# Altium PCB MB988.PcbDoc (part 3 of 4)
Units mil, origin at the board's own origin, x right, y up, seen from the top; angles counter-clockwise.
Board outline 4505 x 6805 mil, 4 copper layers (TopLayer, VCC, GND, BottomLayer), stack 71.6 mil thick; 546 components, 390 nets, 1907 pads, 809 vias.
Unrouted connection lines stored in the file: 2.
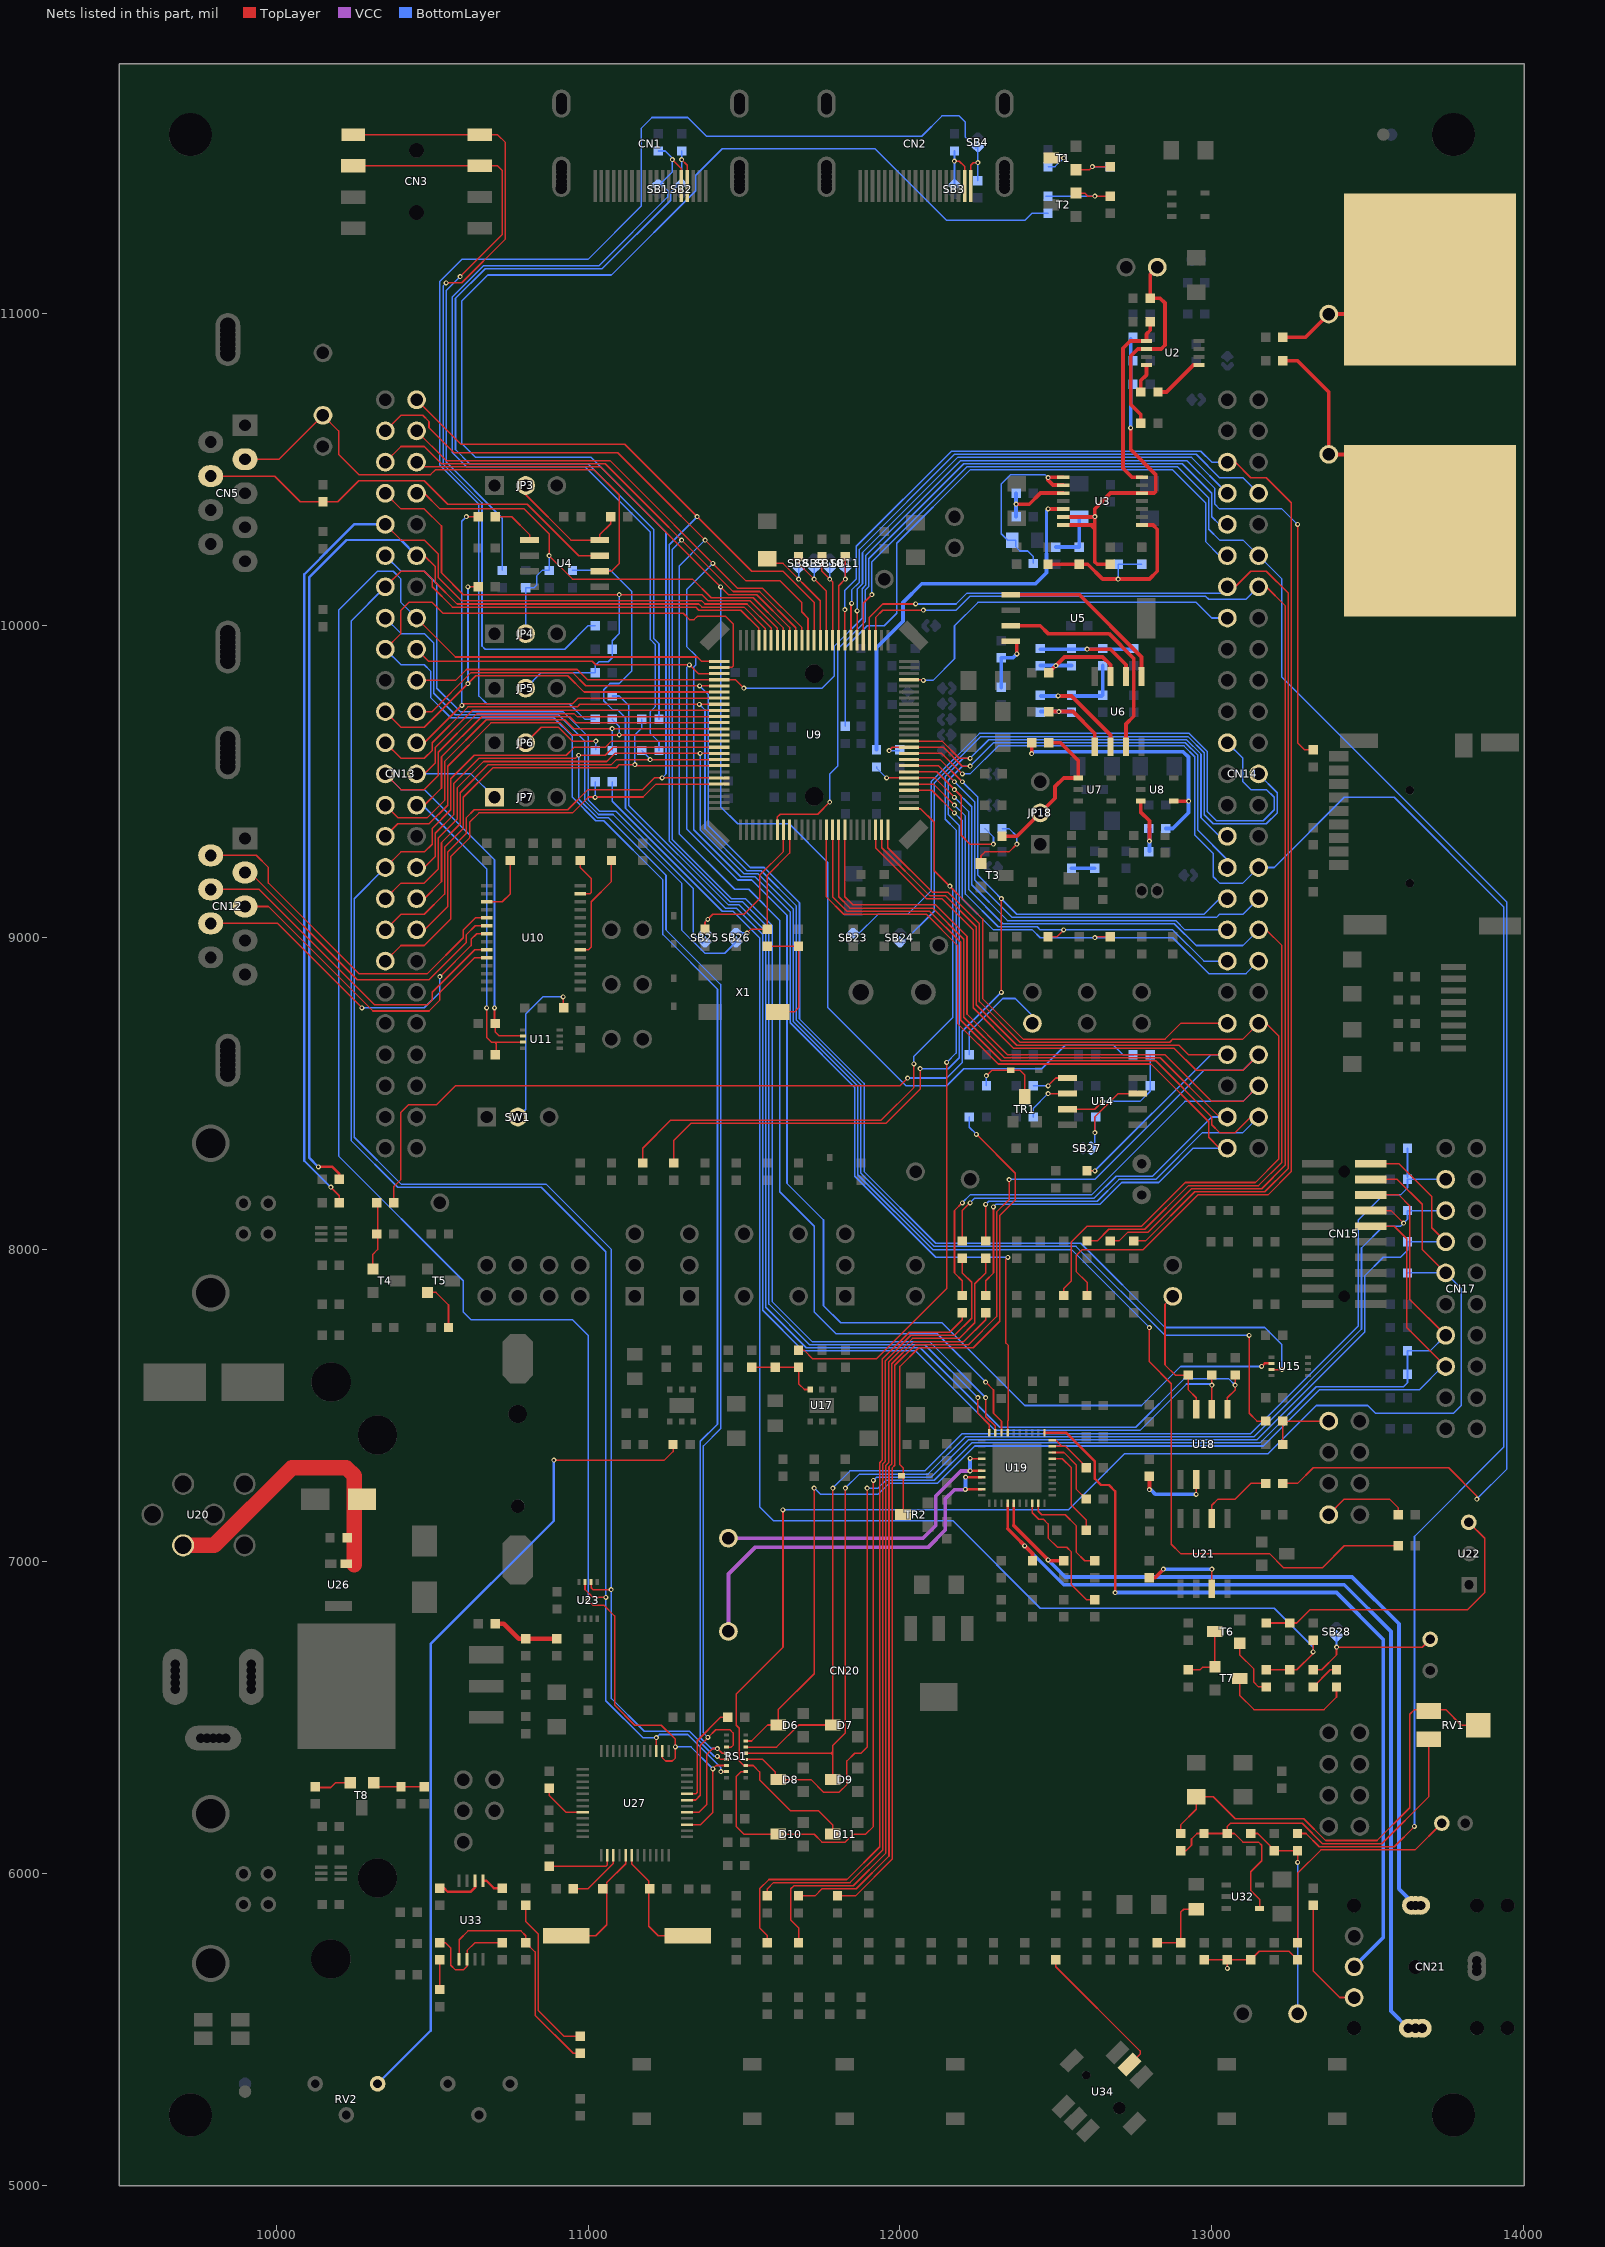
[diagram p5: the nets of this part, all layers, seen from the top]

## Via types
v1: diameter 16, hole 8, TopLayer to BottomLayer, tented both sides, 786 vias
v2: diameter 25, hole 16, TopLayer to BottomLayer, tented both sides, 20 vias
v3: diameter 50, hole 28, TopLayer to BottomLayer, tented both sides, 3 vias

## Nets (pads, with @x,y where several pads share a name; then routed paths per layer and width w, separated by ;. In a path a pad name is that pad's centre, name@x,y a point inside that pad or via, vN(x,y) a via of type N, cw(c..) or ccw(c..) an arc to the next point about the centre after c; other vN are vias at no path point) (continued)
NetR120_2: R120.2 T1.3 | length 101.6
  TopLayer w5: T1.3@12485,11500.5 12524.5,11500.5 v1(12525,11500)
  BottomLayer w5: R120.2@12475,11472.5 12497.5,11472.5 v1(12525,11500)
NetR122_1: R122.1 T6.3 T7.2 | length 202.1
  TopLayer w5: R122.1@12925,6652.5 12962.5,6652.5 12970,6660 13007.5,6660 T7.2@13010,6662.5 T6.3@13010,6775.5
NetR123_2: R123.2 T6.2 | length 189.9
  TopLayer w5: T6.2@13090,6737.5 13090,6700 13135,6655 13135,6612.5 13150,6597.5 R123.2@13175,6597.5
NetR125_1: R125.1 T7.3 | length 432.2
  TopLayer w5: T7.3@13090,6624.5 13090,6570 13135,6525 13360,6525 13400,6565 R125.1@13400,6597.5
NetR125_2: R125.2 R240.1 | length 97.8
  TopLayer w5: R240.1@13325,6597.5 13380,6652.5 R125.2@13400,6652.5
NetR128_1: R128.1 T8.1 | length 116.2
  TopLayer w5: R128.1@10127.5,6275 10175,6275 10190,6290 T8.1@10237.5,6290
NetR129_1: R129.1 U21.6 | length 244
  TopLayer w5: U21.6@13000,7137.5 13000,7180 13020,7200 13075,7200 13125,7250 R129.1@13172.5,7250
NetR131_2: R131.2 R132.1 T8.2 | length 162.5
  TopLayer w5: T8.2@10312.5,6277.5 R132.1@10475,6277.5
NetR137_2: R137.2 U27.2 | length 219.3
  TopLayer w5: R137.2@10875,6022.5 11057.5,6022.5 11061.42,6026.42 U27.2@11061.42,6057.68
NetR139_1: CN1.15 R139.1 R173.1 SB1.1 | length 3087.5
  TopLayer w5: v1(11270,11495) 11298.43,11466.57 CN1.15@11298.43,11410
  BottomLayer w5: R173.1@11225,11522.5 11247.5,11522.5 11270,11500 11270,11455 SB1.1@11233,11418 11255,11396 11255,11375 11035,11155 10665,11155 10565,11055 10565,10555 10610,10510 10990,10510 11200,10300 11200,9955.86 11215,9940.86 11215,9740 11200,9725 11200,9655 11227.5,9627.5 R139.1@11227.5,9600
NetR140_1: C72.1 R140.1 R141.2 RV1.1 U32.4 | length 1457
  TopLayer w5: R140.1@12900,6072.5 12917.5,6072.5 12935,6090 12935,6110 12952.5,6127.5 R141.2@12975,6127.5 ; R141.2@12977.5,6127.5 13072.5,6127.5 13100,6100 13150,6100 13160,6090 13160,6040 13125,6005 13125,5945 13153.15,5916.85 U32.4@13153.15,5887.6 ; C72.1@13050,6127.5 13050,6150 13060,6160 13290,6160 13355,6095 13545,6095 13696.26,6246.26 RV1.1@13696.26,6404.72
NetR140_2: C71.1 R140.2 RV1.2 RV1.3 | length 1470.4
  TopLayer w5: R140.2@12900,6127.5 12900,6155 12950,6205 C71.1@12950,6245 13005,6245 13075,6175 13295,6175 13365,6105 13530,6105 13635,6210 13635,6510 13650,6525 13750,6525 13800,6475 RV1.2@13853.74,6475
NetR144_1: LD5.2 R144.1 | length 523.2
  TopLayer w5: R144.1@10800,5897.5 10800,5845 10840,5805 10840,5560 10922.5,5477.5 LD5.2@10975,5477.5
NetR145_2: R145.2 U27.3 | length 188.8
  TopLayer w5: R145.2@10952.5,5950 11000,5950 11081.1,6031.1 U27.3@11081.1,6057.68
NetR146_1: R77.2 R146.1 | length 2554.3
  TopLayer w5: R146.1@11575,5927.5 11575,5950 11595,5970 11840,5970 11945,6075 11945,7312.22 11953.64,7320.86 11953.64,7643.64 12035,7725 12175,7725 12230,7780 12230,7895 12200,7925 R77.2@12200,7972.5
NetR147_1: R88.2 R147.1 | length 2307.4
  TopLayer w5: R147.1@11675,5927.5 11727.5,5927.5 11750,5950 11860,5950 11965,6055 11965,7303.93 11973.64,7312.57 11973.64,7633.64 12045,7705 12205,7705 12275,7775 R88.2@12275,7797.5
NetR148_1: CN1.16 R148.1 R172.1 SB2.1 | length 2927.5
  TopLayer w5: v1(11300,11495) 11318.11,11476.89 CN1.16@11318.11,11410
  BottomLayer w5: R148.1@11227.5,9700 11227.5,9942.5 11210,9960 11210,10310 11000,10520 10620,10520 10575,10565 10575,11050 10670,11145 11045,11145 11265,11365 11265,11391 SB2.1@11292,11418 ; SB2.1@11300,11415 R172.1@11300,11522.5
NetR156_1: R87.2 R156.1 | length 2522.2
  TopLayer w5: R156.1@11575,5777.5 11575,5800 11550,5825 11550,5950 11580,5980 11830,5980 11935,6085 11935,7316.36 11943.64,7325 11943.64,7648.64 12030,7735 12160,7735 12200,7775 R87.2@12200,7797.5
NetR157_1: R78.2 R157.1 | length 2663.4
  TopLayer w5: R157.1@11675,5777.5 11675,5825 11650,5850 11650,5950 11660,5960 11850,5960 11955,6065 11955,7308.07 11963.64,7316.72 11963.64,7638.64 12040,7715 12190,7715 12240,7765 12240,7890 12275,7925 R78.2@12275,7972.5
NetR159_1: R2.1 R159.1 T2.1 | length 271.6
  TopLayer w5: T2.1@12565,11387.5 12592.5,11387.5 12602.5,11377.5 R2.1@12675,11377.5
  BottomLayer w5: R159.1@12467.5,11377.5 v1(12625,11377.5)
NetR162_2: R162.2 U34.5 | length 462
  TopLayer w5: R162.2@12500,5722.5 12500,5700 12770,5430 12770,5420 U34.5@12736.3,5386.3
NetR163_1: CN20.1 R110.1 R163.1 | length 222.5
  TopLayer w5: R110.1@13227.5,7375 R163.1@13227.5,7450 CN20.1@13375,7450
NetR165_1: C89.1 C135.1 R164.1 R165.1 | length 350
  TopLayer w5: C89.1@12975.28,5722.44 13124.94,5722.44 13152.5,5750 13247.5,5750 R165.1@13275,5722.5 ; v1(13050,5695) R164.1@13050,5722.5
NetR166_2: CN21.6 R166.2 | length 377.4
  TopLayer w5: R166.2@13325,5897.5 13325,5686.57 13410,5601.57 CN21.6@13456.3,5601.57
NetR171_2: C81.1 R170.1 R171.2 | length 226.6
  TopLayer w5: R171.2@12825,5777.5 R170.1@12900,5777.5 12900,5875 12910,5885 C81.1@12950,5885
NetR176_2: R1.2 R176.2 T1.2 | length 171.6
  TopLayer w5: T1.2@12565,11462.5 12607.5,11462.5 v1(12617.5,11472.5) R1.2@12675,11472.5
  BottomLayer w5: v1(12617.5,11472.5) R176.2@12675,11472.5
NetR178_1: C94.1 C97.2 R18.1 R177.1 R178.1 R180.1 R188.2 U3.5 U3.13 U3.14 | length 1409.7
  TopLayer w5: 12623.23,10323.23 12625,10325 ; v1@12623.82,10348.82 v1(12625,10350)
  TopLayer w12: U3.14@12524.02,10323.23 12623.23,10323.23 ; U3.13@12524.02,10348.82 v1@12623.82,10348.82 ; 12610,10323.23 12611.77,10323.23 12625,10310 ; R18.1@12675,10197.5 12632.5,10197.5 12625,10205 12625,10375 12675.59,10425.59 12815.59,10425.59 12820,10430 12820,10485 12740,10565 v1(12740,10635)
  BottomLayer w12: R188.2@12500,10252.5 12574.65,10252.5 C97.2@12574.72,10252.44 C94.1@12574.72,10344.72 ; C94.1@12570,10350 v1(12625,10350) ; v1(12740,10635) R177.1@12740,10920
NetR181_1: C92.2 R181.1 U3.10 | length 241.3
  TopLayer w12: v1(12372.5,10390) 12415,10390 12450.59,10425.59 U3.10@12524.02,10425.59
  BottomLayer w12: R181.1@12372.5,10350 C92.2@12372.5,10425
NetR182_1: JP3.2 R182.1 U4.8 | length 417.1
  TopLayer w5: JP3.2@10800,10450 10800,10420 10945,10275 U4.8@11037.5,10275 11037.5,10292.5 11072.5,10327.5 R182.1@11072.5,10350
NetR185_2: CN3.2 R185.2 | length 1915.3
  TopLayer w5: CN3.2@10247.5,11475 10710,11475 10725,11460 10725,11255 v1(10590,11120)
  BottomLayer w5: v1(10590,11120) 10545,11075 10545,10525 10725,10345 R185.2@10725,10177.5
NetR190_2: CN3.1 R190.2 | length 2674.5
  TopLayer w5: CN3.1@10247.5,11575 10710,11575 10735,11550 10735,11240 10595,11100 v1(10545,11100)
  BottomLayer w5: v1(10545,11100) 10535,11090 10535,10519.14 10660,10394.14 10660,9935 10670,9925 10925,9925 11000,10000 R190.2@11022.5,10000
NetR193_2: C101.2 R21.2 R193.2 U6.7 | length 366.1
  TopLayer w12: R21.2@12477.5,9850 12527.5,9900 12650,9900 12675,9875 U6.7@12675,9837.5
  BottomLayer w12: C101.2@12450,9872.5 R193.2@12550,9872.5
  other v1: 12500,9872.5
NetR194_1: C101.1 R193.1 R194.1 R198.1 U6.6 | length 480.7
  TopLayer w12: v1(12600,9925) 12675,9925 12725,9875 U6.6@12725,9837.5
  BottomLayer w12: C101.1@12450,9925 R198.1@12747.5,9925
NetR194_2: C104.1 R194.2 R200.1 R205.2 U6.2 | length 546.8
  TopLayer w12: v1(12507.5,9775) 12550,9775 12675,9650 U6.2@12675,9612.5
  BottomLayer w12: C104.1@12452.5,9775 R205.2@12647.5,9775 ; R205.2@12650,9777.5 R194.2@12650,9872.5
NetR197_2: R196.2 R197.2 U5.1 | length 190.2
  TopLayer w12: v1(12375,9910) U5.1@12375,9950
  BottomLayer w12: R197.2@12325,9802.5 R196.2@12325,9897.5 12362.5,9897.5 v1(12375,9910)
NetR199_2: JP6.2 R199.2 | length 291.9
  TopLayer w5: JP6.2@10800,9625 10850,9675 10905,9675 10950,9630 v1(11025,9630)
  BottomLayer w5: R199.2@11025,9602.5 v1(11025,9630)
NetR200_2: C104.2 R23.2 R200.2 U6.1 | length 314
  TopLayer w12: R23.2@12477.5,9725 12555,9725 12625,9655 U6.1@12625,9612.5
  BottomLayer w12: C104.2@12452.5,9725 R200.2@12547.5,9725
  other v1: 12510,9725
NetR203_1: CN14.11 R203.1 | length 2032.5
  BottomLayer w5: R203.1@11825,9677.5 11825,9930 11895,10000 11950,10000 11990,10040 11990,10265 12225,10500 12875,10500 12980,10395 12980,10270 13025,10225 CN14.11@13050,10225
NetR204_2: R33.1 R204.2 U8.4 | length 867.3
  TopLayer w12: v1(12422.5,9590) R33.1@12422.5,9625 ; U8.4@12878.15,9437.6 v1(12925.4,9437.6)
  BottomLayer w12: v1(12422.5,9590) 12429,9596.5 12907.91,9596.5 12925,9579.41 v1@12925,9437.6 ; R204.2@12852.5,9350 12875,9350 12925.4,9400.4 v1(12925.4,9437.6)
NetR208_2: R204.1 R208.2 U8.3 | length 209.3
  TopLayer w12: U8.3@12771.85,9437.6 12771.85,9403.15 12800,9375 v1(12800,9310)
  BottomLayer w12: R208.2@12800,9277.5 R204.1@12800,9347.5
NetR209_2: R207.1 R209.2 | length 75
  BottomLayer w12: R207.1@12550,9222.5 R209.2@12625,9222.5
NetR211_2: R211.2 U10.20 | length 343.3
  TopLayer w5: U10.20@10974.61,8961.61 11001.61,8961.61 11010,8970 11010,9115 11075,9180 R211.2@11075,9247.5
NetR212_2: CN9.2 R212.2 | length 370.8
  BottomLayer w5: R212.2@12222.5,8625 12222.5,8697.5 12330,8805 12370,8805 12425,8750 CN9.2@12425,8725 CN9.2@12427.5,8722.5
NetR215_1: R214.1 R215.1 U14.3 | length 406.3
  TopLayer w5: U14.3@12537.5,8450 12625,8450 v1(12650,8475)
  BottomLayer w5: v1(12650,8475) 12770,8475 12802.5,8507.5 R215.1@12802.5,8625
NetR216_2: R216.2 SW1.2 | length 519.2
  TopLayer w5: v1(10920,8810) 10920,8777.5 R216.2@10922.5,8775
  BottomLayer w5: SW1.2@10775,8425 10800,8450 10800,8755 10855,8810 v1(10920,8810)
NetR217_2: D3.2 R217.2 TR1.3 | length 238.7
  TopLayer w5: v1(12277.5,8557.5) 12295,8575 12385,8575 12400.5,8559.5 TR1.3@12400.5,8490
  BottomLayer w5: R217.2@12277.5,8525 v1(12277.5,8557.5)
NetR218_2: R218.2 U14.1 | length 120.4
  TopLayer w5: v1(12475,8525) 12500,8550 U14.1@12537.5,8550
  BottomLayer w5: R218.2@12427.5,8525 v1(12475,8525)
NetR220_2: D5.2 R220.2 TR2.3 | length 1595.5
  TopLayer w5: TR2.3@12010,7150.5 12010,7300 12000,7310 12000,7625 12060,7685 12235,7685 12320,7770 12320,8109.14 12370,8159.14 12370,8245 v1(12245.5,8369.5)
  BottomLayer w5: R220.2@12222.5,8425 12222.5,8392.5 v1(12245.5,8369.5)
NetR222_2: R222.2 U14.2 | length 157.2
  TopLayer w5: v1(12475,8500) U14.2@12537.5,8500
  BottomLayer w5: R222.2@12427.5,8425 12427.5,8452.5 v1(12475,8500)
NetR235_2: R235.2 U18.2 | length 261.2
  TopLayer w5: v1(12950,7215) U18.2@12950,7277.5
  TopLayer w12: v1(12800,7230) R235.2@12800,7272.5
  BottomLayer w12: v1(12800,7230) 12805,7230 12820,7215 v1(12950,7215)
NetR237_2: L4.1 R237.2 R238.2 | length 217.2
  TopLayer w15: L4.1@10702.5,6800 10730,6800 10777.5,6752.5 R237.2@10900,6752.5
NetR240_2: LD10.2 R240.2 SB28.2 | length 467
  TopLayer w5: R240.2@13325,6652.5 13352.5,6652.5 13400,6700 v1(13400,6725) 13675,6725 LD10.2@13700,6750
  BottomLayer w5: v1(13400,6725) SB28.2@13400,6762
NetR242_1: R242.1 U33.6 | length 145.2
  TopLayer w8: R242.1@10525,5952.5 10537.5,5952.5 10550,5940 10622.8,5940 10637.8,5955 U33.6@10637.8,5975.98
NetR243_1: R243.1 U33.5 | length 71.3
  TopLayer w8: U33.5@10663.39,5975.98 10674.02,5975.98 10697.5,5952.5 R243.1@10725,5952.5
NetR244_1: R244.1 R246.2 U33.2 | length 334
  TopLayer w5: R246.2@10525,5777.5 10542.5,5777.5 10560,5760 10560,5705 10575,5690 10600,5690 10612.21,5702.21 10612.21,5752.21 10637.21,5777.21 10724.71,5777.21 R244.1@10725,5777.5
NetR246_1: R160.2 R246.1 | length 95
  TopLayer w5: R160.2@10525,5627.5 R246.1@10525,5722.5
NetR247_1: CN20.7 R247.1 | length 277.1
  TopLayer w5: CN20.7@13375,7150 13425,7200 13570,7200 13597.5,7172.5 R247.1@13597.5,7150
NetR248_1: R248.1 U4.1 | length 151.3
  TopLayer w5: R248.1@10702.5,10350 10755,10350 10812.5,10292.5 U4.1@10812.5,10275
NetR249_1: R119.2 R123.1 R124.2 R249.1 | length 4731.9
  TopLayer w5: R123.1@13175,6652.5 13272.5,6652.5 13325,6705 R119.2@13325,6747.5
  BottomLayer w5: R249.1@11077.5,9500 11077.5,9437.5 11430,9085 11465,9085 11550,9000 11550,7175 11595,7130 12170,7130 12450,6850 13200,6850 13325,6725 v1(13325,6710)
NetRS1_4: CN15.10 CN17.15 D6.3 RS1.4 | length 3718.8
  TopLayer w5: RS1.4@11506,6424.21 11524.21,6424.21 11575.5,6475.5 D6.3@11610,6475.5 11610,6525 11725,6640 v1(11725,7235) ; CN15.10@13510,8075 13585,8075 13625,8035 13625,7750 CN17.15@13750,7625
  BottomLayer w5: v1(11725,7235) 11745,7215 11930,7215 11965,7250 12120,7250 12240,7370 13165,7370 13345,7550 13665,7550 CN17.15@13740,7625
NetRS1_6: CN17.3 D7.3 R223.2 R224.1 RS1.6 | length 3750.7
  TopLayer w5: RS1.6@11506,6404.53 11604.53,6404.53 11675.5,6475.5 D7.3@11785,6475.5 v1(11785,7235)
  BottomLayer w5: v1(11785,7235) 11840,7290 12080,7290 12200,7410 13125,7410 13470,7755 13470,8095 13550,8175 13605,8175 13627.5,8197.5 R223.2@13627.5,8225 CN17.3@13750,8225 ; R223.2@13627.5,8232.5 R224.1@13627.5,8325
NetRS1_8: CN15.8 CN17.5 D9.3 R225.1 RS1.8 | length 3827.7
  TopLayer w5: RS1.8@11506,6384.84 11784.84,6384.84 ; 11784.68,6380 11779.84,6384.84 11785,6390 ; D9.3@11785,6300.5 11785,6410 11825,6450 v1(11825,7235) ; CN15.8@13510,8125 13575,8125 v1(13615,8085)
  BottomLayer w5: v1(11825,7235) 11870,7280 12090,7280 12210,7400 13135,7400 13480,7745 13480,8005 13550,8075 13605,8075 13627.5,8097.5 R225.1@13627.5,8125 CN17.5@13750,8125
NetRS1_10: CN15.6 CN17.13 D8.3 R230.2 R231.1 RS1.10 | length 4096.5
  TopLayer w5: RS1.10@11506,6365.16 11559.84,6365.16 11600,6325 D8.3@11600,6295 ; D8.3@11610,6300.5 11714.5,6300.5 11755,6260 11805,6260 11830,6285 11830,6360 11855,6385 11875,6385 11895,6405 v1(11895,7235) ; CN15.6@13510,8175 13600,8175 13635,8140 13635,7840 CN17.13@13750,7725
  BottomLayer w5: v1(11895,7235) 11930,7235 11955,7260 12110,7260 12230,7380 13155,7380 13335,7560 13615,7560 13627.5,7572.5 R231.1@13627.5,7675 13700,7675 CN17.13@13750,7725
NetRS1_12: CN15.4 CN17.9 D11.3 R226.2 RS1.12 | length 4652.2
  TopLayer w5: v1(11625,7165) 11625,6725 11475,6575 11475,6475 11485,6465 11485,6360 11499.53,6345.47 11529.53,6345.47 11550,6325 11550,6300 11650,6200 11740,6200 11785,6155 D11.3@11785,6125.5 ; CN15.4@13510,8225 13595,8225 13675,8145 13675,8000 CN17.9@13750,7925
  BottomLayer w5: v1(11625,7165) 12540,7165 12720,7345 13180,7345 13335,7500 13500,7500 13525,7475 13775,7475 13800,7500 13800,7875 CN17.9@13750,7925 R226.2@13627.5,7925
NetRS1_14: CN15.2 CN17.7 D10.3 R227.1 RS1.14 | length 4464.5
  TopLayer w5: RS1.14@11506,6325.79 11490.79,6325.79 11475,6310 11475,6150 11500,6125 11725,6125 11750,6100 11825,6100 11850,6125 11890,6125 11915,6150 v1(11915,7260) ; CN15.2@13510,8275 13600,8275 13705,8170 13705,8070 CN17.7@13750,8025
  BottomLayer w5: v1(11915,7260) 11925,7270 12100,7270 12220,7390 13145,7390 13490,7735 13490,7915 13550,7975 13605,7975 13627.5,7997.5 R227.1@13627.5,8025 CN17.7@13750,8025
NetRV2_1: R107.2 RV2.1 | length 2650.4
  TopLayer w5: v1(10890,7325) 11245,7325 11272.5,7352.5 R107.2@11272.5,7375
  BottomLayer w8: RV2.1@10325,5325 10495,5495 10495,6735 10890,7130 v1(10890,7325)
NetSB3_2: CN2.18 R174.2 SB3.2 | length 206.7
  TopLayer w5: v1(12175,11490) 12190,11490 12207.48,11472.52 CN2.18@12207.48,11410
  BottomLayer w5: SB3.2@12175,11418 R174.2@12175,11522.5
NetSB4_2: CN2.19 R135.2 R175.2 SB4.2 | length 4196.6
  TopLayer w5: CN2.19@12227.17,11410 12227.17,11477.17 12235,11485 v1(12250,11485)
  BottomLayer w5: R135.2@11022.5,9700 10990,9700 10940,9750 10675,9750 10650,9775 10650,10390 10525,10515 10525,11105 10595,11175 11000,11175 11170,11345 11170,11595 11205,11630 11320,11630 11380,11570 12070,11570 12135,11635 12190,11635 12210,11615 12210,11567 12245,11532 SB4.2@12243,11532 ; R175.2@12250,11427.5 SB4.2@12250,11537
NetSB23_2: CN14.23 SB23.2 | length 2356.9
  BottomLayer w5: SB23.2@11865,9010 11929.52,9074.52 12024.52,9074.52 12100,9150 12100,9500 12255,9655 12927.57,9655 12985.46,9597.11 12985.46,9404.54 13015,9375 13165,9375 13200,9410 13200,9450 13175,9475 13125,9475 13100,9500 13100,9575 CN14.23@13050,9625
NetSB24_2: CN14.26 SB24.2 | length 2114.9
  BottomLayer w5: SB24.2@12007,8982 12110,9085 12110,9495.86 12259.14,9645 12923.43,9645 12975.46,9592.97 12975.46,9394.54 13005,9365 13175,9365 13210,9400 13210,9465 CN14.26@13150,9525
NetSB25_2: CN13.11 SB25.2 | length 1932.7
  BottomLayer w5: CN13.11@10350,10225 10400,10175 10475,10175 10515,10135 10515,9800 10590,9725 10920,9725 11000,9645 11000,9442.43 11037.43,9405 11090,9405 11338,9157 11338,9012 SB25.2@11368,8982
NetSB26_2: CN13.15 SB26.2 | length 1880
  BottomLayer w5: CN13.15@10350,10025 10400,9975 10475,9975 10505,9945 10505,9784.14 10574.14,9715 10905,9715 10990,9630 10990,9438.28 11033.28,9395 11080,9395 11300,9175 11300,9025 11375,8950 11438,8950 SB26.2@11475,8987
NetT3_2: R22.1 T3.2 | length 238.4
  TopLayer w5: T3.2@12260,9237.5 12260,9262.5 12272.5,9275 12350,9275 v1(12375,9300)
  BottomLayer w5: R22.1@12327.5,9350 12350,9350 12375,9325 v1(12375,9300)
NetT4_2: R51.1 R65.1 T4.2 | length 216.2
  TopLayer w5: T4.2@10310,7937.5 10310,7985 10325,8000 R51.1@10325,8147.5
NetT5_1: R84.1 T5.1 | length 156.6
  TopLayer w5: T5.1@10485,7862.5 10512.5,7862.5 10552.5,7822.5 R84.1@10552.5,7750
NetTP16_1: C79.1 R136.2 R241.1 TP16.1 | length 696.7
  TopLayer w5: R241.1@13125,6127.5 13147.5,6127.5 13200,6075 C79.1@13200,6072.5 R136.2@13275,6072.5 v1(13275,6035)
  BottomLayer w5: TP16.1@13275,5550 v1(13275,6035)
NetTS1_1: R4.1 TP1.1 TS1.1 | length 453.6
  TopLayer w12: R4.1@13227.5,10925 13300,10925 13375,11000 TS1.1@13650,11000
NetTS2_1: R20.1 TP3.1 TS2.1 | length 624.2
  TopLayer w12: R20.1@13227.5,10850 13275,10850 13375,10750 TP3.1@13375,10549.72 TS2.1@13610,10549.72
NetU2_1: R5.2 U2.1 | length 168.2
  TopLayer w12: R5.2@12827.44,10749.72 12854.72,10749.72 12941.61,10836.61 U2.1@12959.69,10836.61
NetU2_5: C2.1 U2.5 U3.7 | length 609.6
  TopLayer w12: U3.7@12775.98,10476.77 12743.23,10476.77 12715,10505 12715,10890 12738.39,10913.39 U2.5@12790.31,10913.39 12790.31,10935.31 12802.56,10947.56 C2.1@12802.56,10975.28
NetU2_6: JP1.2 R3.2 R6.1 U2.6 | length 651
  TopLayer w12: R6.1@12772.5,10650 12772.5,10677.5 12740,10710 12740,10865 12762.8,10887.8 12837.8,10887.8 12850,10900 12850,11035 12835,11050 R3.2@12802.5,11050 12802.5,11127.5 JP1.2@12825,11150
NetU2_8: R5.1 U2.8 | length 94.3
  TopLayer w12: R5.1@12772.44,10749.72 12772.44,10786.82 12790.31,10804.69 U2.8@12790.31,10836.61
NetU3_1: C98.1 R16.1 R17.1 R184.2 U3.1 | length 692
  TopLayer w12: R16.1@12475,10197.5 12602.5,10197.5 12650,10150 12800,10150 12825,10175 12825,10310 12811.77,10323.23 U3.1@12775.98,10323.23
  BottomLayer w5: v1(12700,10150) C98.1@12700,10197.5 R184.2@12775,10197.5
NetU3_9: C96.2 R183.2 U3.8 U3.9 | length 607.4
  TopLayer w12: U3.9@12524.02,10451.18 12491.18,10451.18 12475,10467.36 v1(12475,10475) 12476.77,10476.77 U3.8@12524.02,10476.77
  BottomLayer w5: R183.2@12427.5,10200 12427.5,10222.5 12410,10240 12385,10240 12372.12,10252.88 12372.12,10274.5 12345.5,10274.5 12325,10295 12325,10455 12355,10485 12465,10485 v1(12475,10475)
NetU3_12: R201.2 U3.12 | length 1263.4
  TopLayer w5: v1(12475,10375) v1@12475.59,10374.41
  TopLayer w12: v1@12475.59,10374.41 U3.12@12524.02,10374.41
  BottomLayer w10: 12470,10230 12470,10370 v1(12475,10375)
  BottomLayer w12: R201.2@11925,9602.5 11925,9930 12010,10015 12010,10075 12070,10135 12435,10135 12470,10170 12470,10230
NetU4_6: CN5.2 JP2.2 U4.6 | length 1713.2
  TopLayer w5: CN5.2@9900,10534 10009,10534 JP2.2@10150,10675 10200,10625 10200,10550 10265,10485 10495,10485 10510,10500 11020,10500 11100,10420 11100,10200 11075,10175 U4.6@11037.5,10175
NetU4_7: CN5.7 R7.1 U4.7 | length 1409
  TopLayer w5: CN5.7@9790,10480 9995,10480 10077.5,10397.5 10197.5,10397.5 10265,10465 10475,10465 10550,10390 10805,10390 10970,10225 U4.7@11037.5,10225
NetU5_2: U5.2 U6.3 | length 731.3
  TopLayer w12: U5.2@12355,10000 12450,10000 12475,9975 12670,9975 12750,9895 12750,9710 12725,9685 U6.3@12725,9612.5
NetU5_4: U5.4 U6.5 | length 565.3
  TopLayer w12: U5.4@12355,10100 12575,10100 12775,9900 U6.5@12775,9837.5
NetU7_1: JP18.2 R33.2 R34.2 U7.1 | length 517.5
  TopLayer w12: R34.2@12327.5,9325 12375,9325 12497.4,9447.4 12497.4,9484.8 12525,9512.4 U7.1@12571.85,9512.4 12571.85,9568.15 12515,9625 R33.2@12477.5,9625
NetU10_3: C15.1 U10.3 | length 192.4
  TopLayer w5: U10.3@10675.39,9115.16 10725,9115.16 10750.28,9140.44 C15.1@10750.28,9247.44
NetU10_5: CN12.6 U10.5 | length 1160.4
  TopLayer w5: CN12.6@9790,9264 9936,9264 9975,9225 9975,9175 10265,8885 10485,8885 10600,9000 10600,9025 10638.98,9063.98 U10.5@10675.39,9063.98